# KiCad board poly_kb_molecule_4x4.kicad_pcb
title: PolyKB Atom; date: 2022-02-01; rev: 2.1; company: thpoll
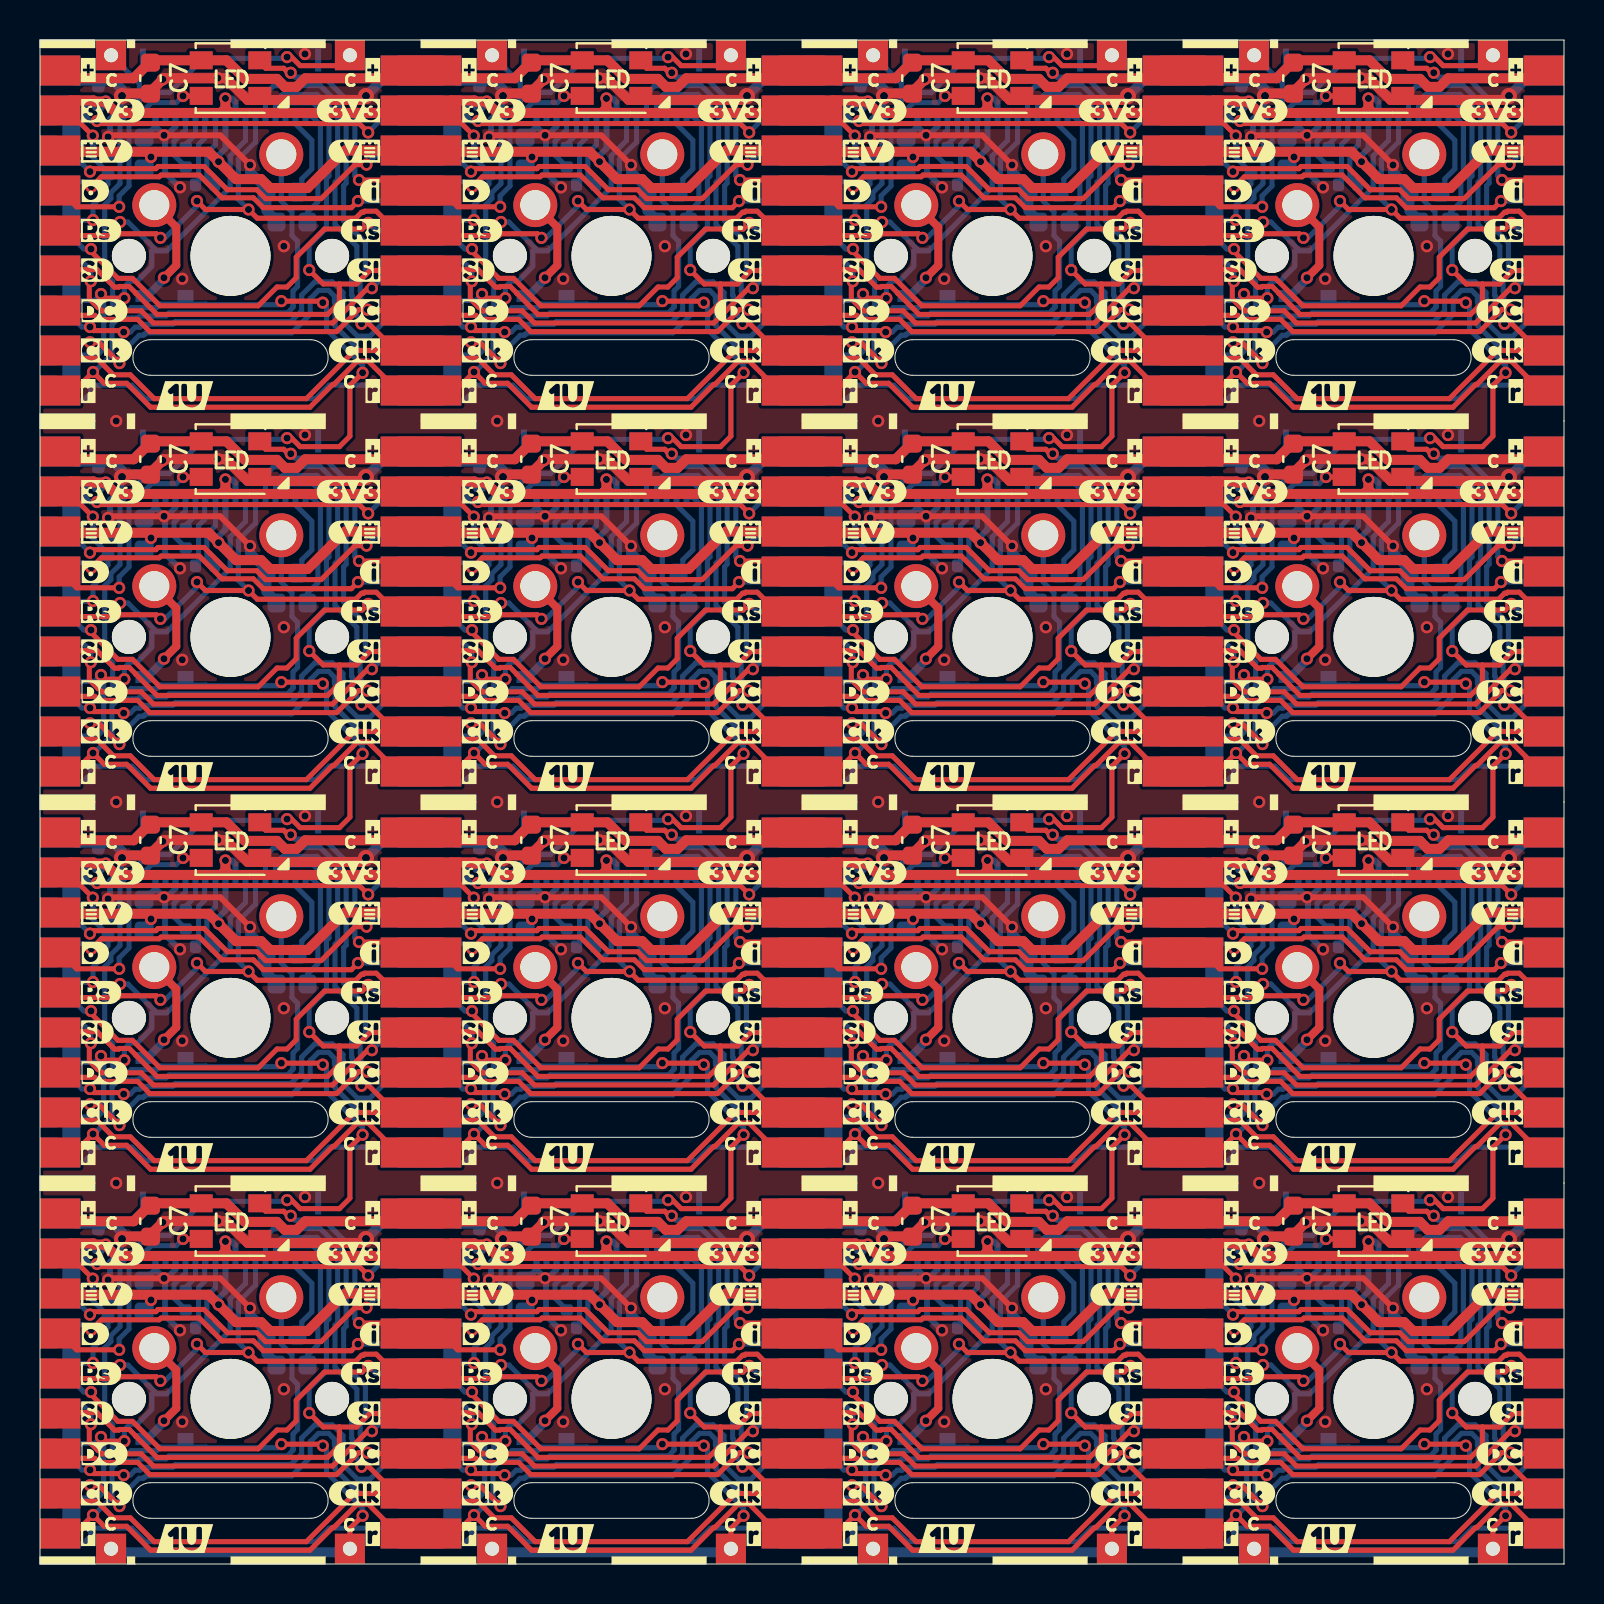
[diagram p0: board, top side]
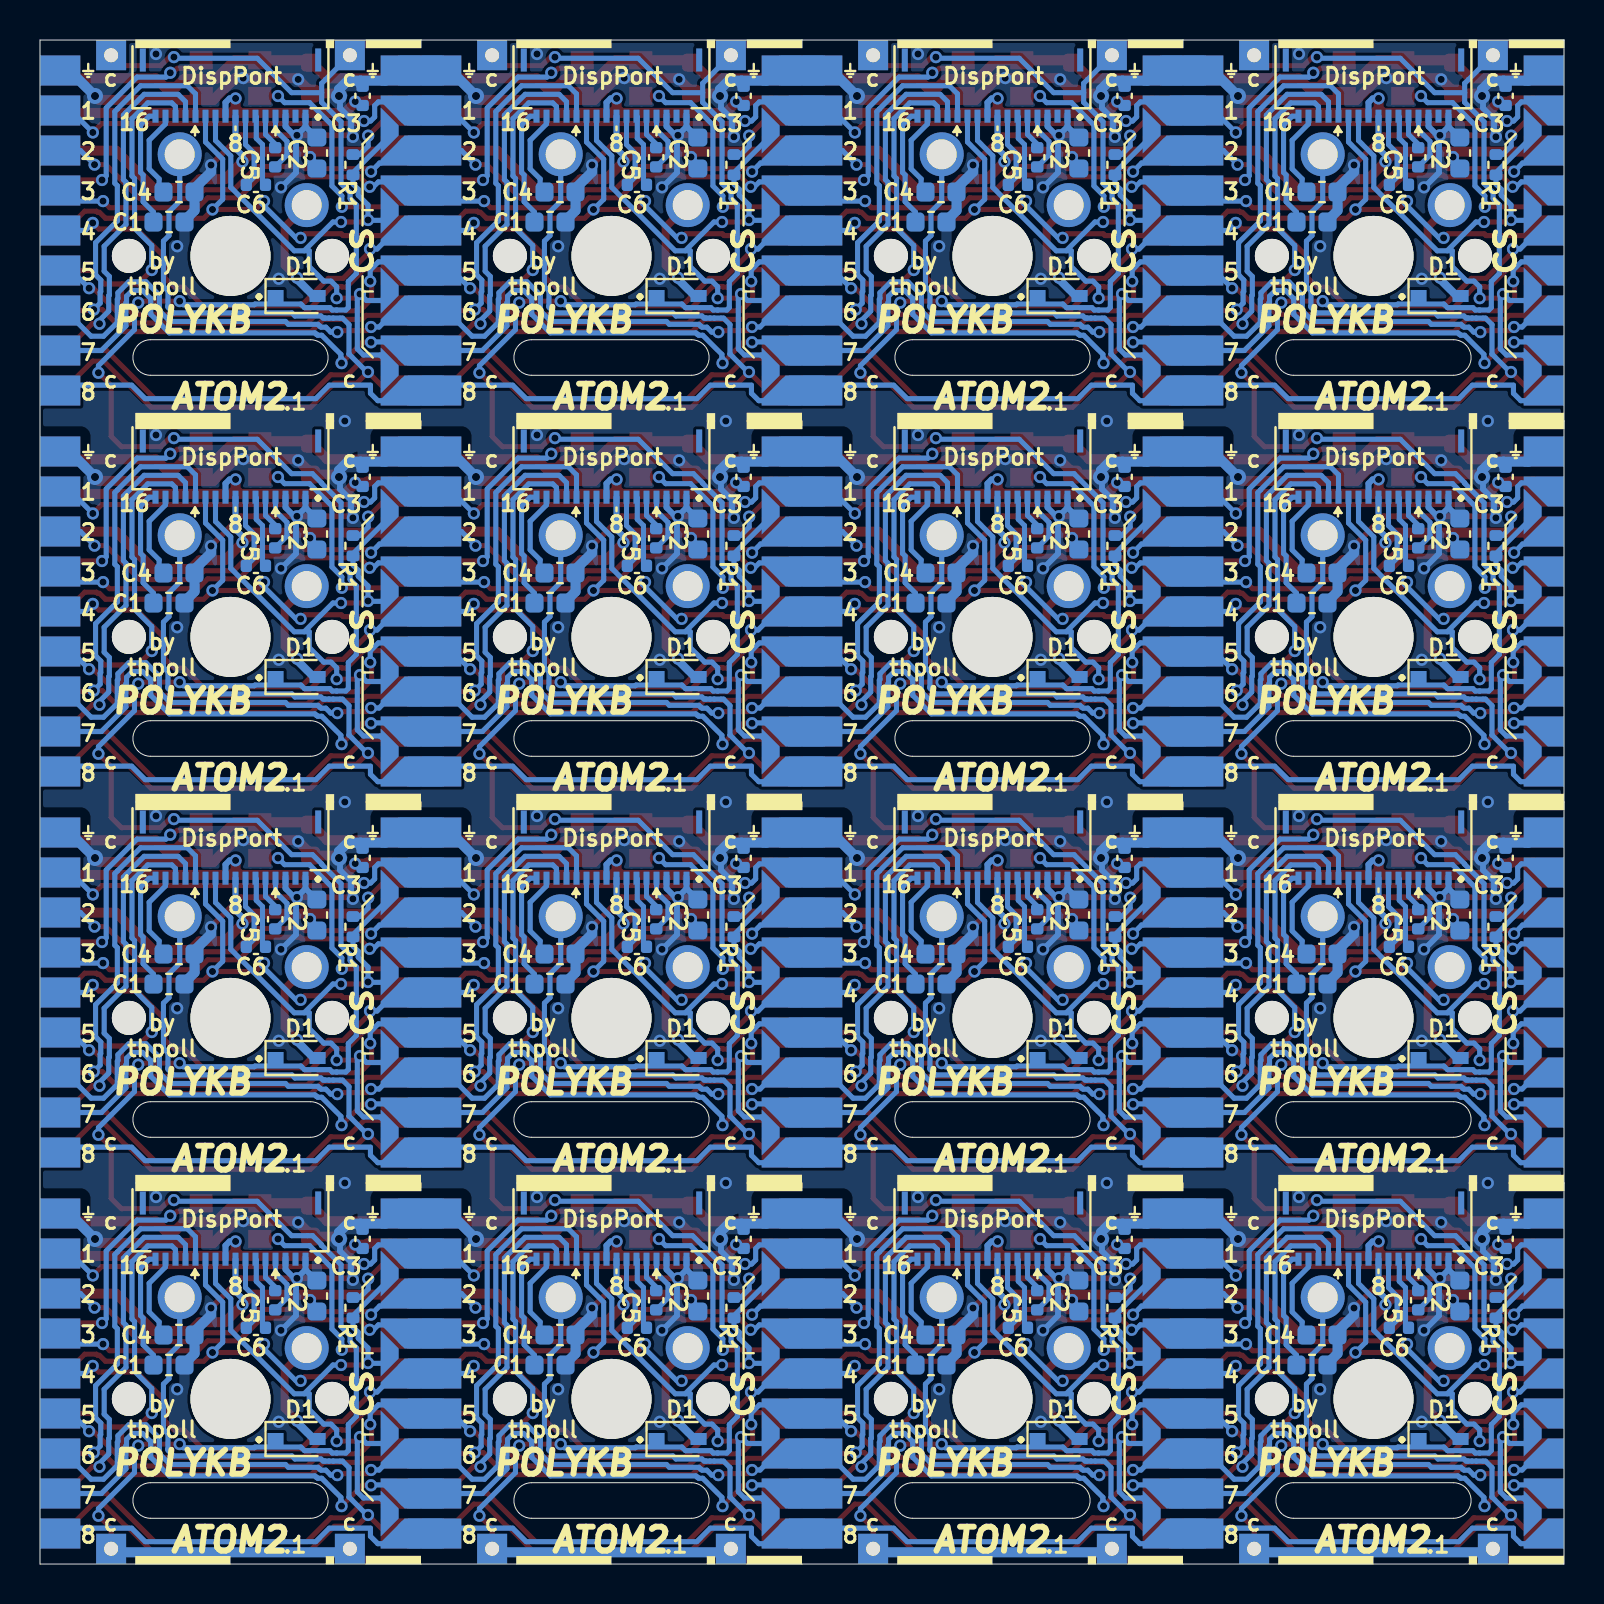
[diagram p1: board, bottom side, seen from below]

Outline 76.2 x 76.2 mm; copper layers: Top, Bottom. Coordinates in mm from the lower left corner of the outline.
Outline path: 0,76.2 0,0 76.2,0 76.2,76.2 0,76.2 ; 5.53,59.44 arc(4.64,60.33) 5.53,61.21 13.52,61.21 arc(14.41,60.33) 13.52,59.44 5.53,59.44 ; 5.53,40.39 arc(4.64,41.28) 5.53,42.16 13.52,42.16 arc(14.41,41.28) 13.52,40.39 5.53,40.39 ; 5.53,21.34 arc(4.64,22.23) 5.53,23.11 13.52,23.11 arc(14.41,22.23) 13.52,21.34 5.53,21.34 ; 5.53,2.29 arc(4.64,3.18) 5.53,4.06 13.52,4.06 arc(14.41,3.18) 13.52,2.29 5.53,2.29 ; 24.58,59.44 arc(23.7,60.33) 24.58,61.21 32.57,61.21 arc(33.45,60.33) 32.57,59.44 24.58,59.44 ; 24.58,40.39 arc(23.7,41.28) 24.58,42.16 32.57,42.16 arc(33.45,41.28) 32.57,40.39 24.58,40.39 ; 24.58,21.34 arc(23.7,22.23) 24.58,23.11 32.57,23.11 arc(33.45,22.23) 32.57,21.34 24.58,21.34 ; 24.58,2.29 arc(23.7,3.18) 24.58,4.06 32.57,4.06 arc(33.45,3.18) 32.57,2.29 24.58,2.29 ; 43.63,59.44 arc(42.75,60.33) 43.63,61.21 51.62,61.21 arc(52.5,60.33) 51.62,59.44 43.63,59.44 ; 43.63,40.39 arc(42.75,41.28) 43.63,42.16 51.62,42.16 arc(52.5,41.28) 51.62,40.39 43.63,40.39 ; 43.63,21.34 arc(42.75,22.23) 43.63,23.11 51.62,23.11 arc(52.5,22.23) 51.62,21.34 43.63,21.34 ; 43.63,2.29 arc(42.75,3.18) 43.63,4.06 51.62,4.06 arc(52.5,3.18) 51.62,2.29 43.63,2.29 ; 62.68,59.44 arc(61.8,60.33) 62.68,61.21 70.67,61.21 arc(71.55,60.33) 70.67,59.44 62.68,59.44 ; 62.68,40.39 arc(61.8,41.28) 62.68,42.16 70.67,42.16 arc(71.55,41.28) 70.67,40.39 62.68,40.39 ; 62.68,21.34 arc(61.8,22.23) 62.68,23.11 70.67,23.11 arc(71.55,22.23) 70.67,21.34 62.68,21.34 ; 62.68,2.29 arc(61.8,3.18) 62.68,4.06 70.67,4.06 arc(71.55,3.18) 70.67,2.29 62.68,2.29
Stack: Top 0.035mm / dielectric 1.51mm FR4 er 4.5 / Bottom 0.035mm

## Placement (name value [footprint] x y rotation side)
C1  2.2uF  [C_0603_1608Metric]  12.6 67.1 180 bottom
C1#2  2.2uF  [C_0603_1608Metric]  50.7 9.95 180 bottom
C1#3  2.2uF  [C_0603_1608Metric]  31.65 48.05 180 bottom
C1#4  2.2uF  [C_0603_1608Metric]  69.75 9.95 180 bottom
C1#5  2.2uF  [C_0603_1608Metric]  12.6 48.05 180 bottom
C1#6  2.2uF  [C_0603_1608Metric]  31.65 9.95 180 bottom
C1#7  2.2uF  [C_0603_1608Metric]  69.75 29 180 bottom
C1#8  2.2uF  [C_0603_1608Metric]  31.65 29 180 bottom
C1#9  2.2uF  [C_0603_1608Metric]  31.65 67.1 180 bottom
C1#10  2.2uF  [C_0603_1608Metric]  69.75 48.05 180 bottom
C1#11  2.2uF  [C_0603_1608Metric]  50.7 29 180 bottom
C1#12  2.2uF  [C_0603_1608Metric]  69.75 67.1 180 bottom
C1#13  2.2uF  [C_0603_1608Metric]  12.6 9.95 180 bottom
C1#14  2.2uF  [C_0603_1608Metric]  12.6 29 180 bottom
C1#15  2.2uF  [C_0603_1608Metric]  50.7 48.05 180 bottom
C1#16  2.2uF  [C_0603_1608Metric]  50.7 67.1 180 bottom
C2  2.2uF  [C_0603_1608Metric]  5.21 70.55 90 bottom
C2#2  2.2uF  [C_0603_1608Metric]  43.31 51.5 90 bottom
C2#3  2.2uF  [C_0603_1608Metric]  43.31 13.4 90 bottom
C2#4  2.2uF  [C_0603_1608Metric]  62.36 70.55 90 bottom
C2#5  2.2uF  [C_0603_1608Metric]  5.21 32.45 90 bottom
C2#6  2.2uF  [C_0603_1608Metric]  24.26 32.45 90 bottom
C2#7  2.2uF  [C_0603_1608Metric]  24.26 70.55 90 bottom
C2#8  2.2uF  [C_0603_1608Metric]  62.36 13.4 90 bottom
C2#9  2.2uF  [C_0603_1608Metric]  5.21 51.5 90 bottom
C2#10  2.2uF  [C_0603_1608Metric]  5.21 13.4 90 bottom
C2#11  2.2uF  [C_0603_1608Metric]  43.31 32.45 90 bottom
C2#12  2.2uF  [C_0603_1608Metric]  62.36 51.5 90 bottom
C2#13  2.2uF  [C_0603_1608Metric]  24.26 51.5 90 bottom
C2#14  2.2uF  [C_0603_1608Metric]  24.26 13.4 90 bottom
C2#15  2.2uF  [C_0603_1608Metric]  43.31 70.55 90 bottom
C2#16  2.2uF  [C_0603_1608Metric]  62.36 32.45 90 bottom
C3  1uF  [C_0402_1005Metric]  2.92 73.41 90 bottom
C3#2  1uF  [C_0402_1005Metric]  60.07 35.31 90 bottom
C3#3  1uF  [C_0402_1005Metric]  60.07 73.41 90 bottom
C3#4  1uF  [C_0402_1005Metric]  41.02 54.36 90 bottom
C3#5  1uF  [C_0402_1005Metric]  41.02 73.41 90 bottom
C3#6  1uF  [C_0402_1005Metric]  21.97 35.31 90 bottom
C3#7  1uF  [C_0402_1005Metric]  21.97 16.26 90 bottom
C3#8  1uF  [C_0402_1005Metric]  2.92 35.31 90 bottom
C3#9  1uF  [C_0402_1005Metric]  21.97 54.36 90 bottom
C3#10  1uF  [C_0402_1005Metric]  2.92 16.26 90 bottom
C3#11  1uF  [C_0402_1005Metric]  60.07 16.26 90 bottom
C3#12  1uF  [C_0402_1005Metric]  21.97 73.41 90 bottom
C3#13  1uF  [C_0402_1005Metric]  41.02 35.31 90 bottom
C3#14  1uF  [C_0402_1005Metric]  2.92 54.36 90 bottom
C3#15  1uF  [C_0402_1005Metric]  41.02 16.26 90 bottom
C3#16  1uF  [C_0402_1005Metric]  60.07 54.36 90 bottom
C4  4.7uF  [C_0603_1608Metric]  12.1 68.6 180 bottom
C4#2  4.7uF  [C_0603_1608Metric]  69.25 49.55 180 bottom
C4#3  4.7uF  [C_0603_1608Metric]  50.2 30.5 180 bottom
C4#4  4.7uF  [C_0603_1608Metric]  50.2 11.45 180 bottom
C4#5  4.7uF  [C_0603_1608Metric]  69.25 68.6 180 bottom
C4#6  4.7uF  [C_0603_1608Metric]  50.2 49.55 180 bottom
C4#7  4.7uF  [C_0603_1608Metric]  69.25 11.45 180 bottom
C4#8  4.7uF  [C_0603_1608Metric]  12.1 11.45 180 bottom
C4#9  4.7uF  [C_0603_1608Metric]  12.1 49.55 180 bottom
C4#10  4.7uF  [C_0603_1608Metric]  50.2 68.6 180 bottom
C4#11  4.7uF  [C_0603_1608Metric]  31.15 49.55 180 bottom
C4#12  4.7uF  [C_0603_1608Metric]  69.25 30.5 180 bottom
C4#13  4.7uF  [C_0603_1608Metric]  12.1 30.5 180 bottom
C4#14  4.7uF  [C_0603_1608Metric]  31.15 68.6 180 bottom
C4#15  4.7uF  [C_0603_1608Metric]  31.15 30.5 180 bottom
C4#16  4.7uF  [C_0603_1608Metric]  31.15 11.45 180 bottom
C5  1uF  [C_0402_1005Metric]  7.29 70.34 90 bottom
C5#2  1uF  [C_0402_1005Metric]  64.44 51.29 90 bottom
C5#3  1uF  [C_0402_1005Metric]  26.34 70.34 90 bottom
C5#4  1uF  [C_0402_1005Metric]  64.44 13.19 90 bottom
C5#5  1uF  [C_0402_1005Metric]  45.39 51.29 90 bottom
C5#6  1uF  [C_0402_1005Metric]  7.29 13.19 90 bottom
C5#7  1uF  [C_0402_1005Metric]  7.29 51.29 90 bottom
C5#8  1uF  [C_0402_1005Metric]  45.39 70.34 90 bottom
C5#9  1uF  [C_0402_1005Metric]  26.34 51.29 90 bottom
C5#10  1uF  [C_0402_1005Metric]  7.29 32.24 90 bottom
C5#11  1uF  [C_0402_1005Metric]  64.44 70.34 90 bottom
C5#12  1uF  [C_0402_1005Metric]  26.34 13.19 90 bottom
C5#13  1uF  [C_0402_1005Metric]  26.34 32.24 90 bottom
C5#14  1uF  [C_0402_1005Metric]  64.44 32.24 90 bottom
C5#15  1uF  [C_0402_1005Metric]  45.39 32.24 90 bottom
C5#16  1uF  [C_0402_1005Metric]  45.39 13.19 90 bottom
C6  1uF  [C_0402_1005Metric]  8.25 68.96 0 bottom
C6#2  1uF  [C_0402_1005Metric]  8.25 49.91 0 bottom
C6#3  1uF  [C_0402_1005Metric]  46.36 68.96 0 bottom
C6#4  1uF  [C_0402_1005Metric]  27.3 68.96 0 bottom
C6#5  1uF  [C_0402_1005Metric]  46.36 30.86 0 bottom
C6#6  1uF  [C_0402_1005Metric]  65.41 11.81 0 bottom
C6#7  1uF  [C_0402_1005Metric]  46.36 11.81 0 bottom
C6#8  1uF  [C_0402_1005Metric]  8.25 11.81 0 bottom
C6#9  1uF  [C_0402_1005Metric]  8.25 30.86 0 bottom
C6#10  1uF  [C_0402_1005Metric]  65.41 30.86 0 bottom
C6#11  1uF  [C_0402_1005Metric]  27.3 49.91 0 bottom
C6#12  1uF  [C_0402_1005Metric]  65.41 49.91 0 bottom
C6#13  1uF  [C_0402_1005Metric]  46.36 49.91 0 bottom
C6#14  1uF  [C_0402_1005Metric]  65.41 68.96 0 bottom
C6#15  1uF  [C_0402_1005Metric]  27.3 11.81 0 bottom
C6#16  1uF  [C_0402_1005Metric]  27.3 30.86 0 bottom
C7  100nF  [C_0603_1608Metric]  5.52 74.3 270 top
C7#2  100nF  [C_0603_1608Metric]  24.57 55.25 270 top
C7#3  100nF  [C_0603_1608Metric]  62.67 74.3 270 top
C7#4  100nF  [C_0603_1608Metric]  24.57 36.2 270 top
C7#5  100nF  [C_0603_1608Metric]  24.57 17.15 270 top
C7#6  100nF  [C_0603_1608Metric]  43.62 55.25 270 top
C7#7  100nF  [C_0603_1608Metric]  62.67 55.25 270 top
C7#8  100nF  [C_0603_1608Metric]  24.57 74.3 270 top
C7#9  100nF  [C_0603_1608Metric]  62.67 36.2 270 top
C7#10  100nF  [C_0603_1608Metric]  5.52 36.2 270 top
C7#11  100nF  [C_0603_1608Metric]  43.62 17.15 270 top
C7#12  100nF  [C_0603_1608Metric]  43.62 36.2 270 top
C7#13  100nF  [C_0603_1608Metric]  62.67 17.15 270 top
C7#14  100nF  [C_0603_1608Metric]  43.62 74.3 270 top
C7#15  100nF  [C_0603_1608Metric]  5.52 17.15 270 top
C7#16  100nF  [C_0603_1608Metric]  5.52 55.25 270 top
D1  D_Small  [D_SOD-323Ext]  6.22 63.4 180 bottom
D1#2  D_Small  [D_SOD-323Ext]  25.27 63.4 180 bottom
D1#3  D_Small  [D_SOD-323Ext]  44.32 63.4 180 bottom
D1#4  D_Small  [D_SOD-323Ext]  63.37 6.25 180 bottom
D1#5  D_Small  [D_SOD-323Ext]  44.32 44.35 180 bottom
D1#6  D_Small  [D_SOD-323Ext]  63.37 63.4 180 bottom
D1#7  D_Small  [D_SOD-323Ext]  25.27 6.25 180 bottom
D1#8  D_Small  [D_SOD-323Ext]  44.32 6.25 180 bottom
D1#9  D_Small  [D_SOD-323Ext]  6.22 44.35 180 bottom
D1#10  D_Small  [D_SOD-323Ext]  63.37 44.35 180 bottom
D1#11  D_Small  [D_SOD-323Ext]  44.32 25.3 180 bottom
D1#12  D_Small  [D_SOD-323Ext]  25.27 44.35 180 bottom
D1#13  D_Small  [D_SOD-323Ext]  6.22 25.3 180 bottom
D1#14  D_Small  [D_SOD-323Ext]  25.27 25.3 180 bottom
D1#15  D_Small  [D_SOD-323Ext]  6.22 6.25 180 bottom
D1#16  D_Small  [D_SOD-323Ext]  63.37 25.3 180 bottom
J1  Conn_01x16  [FPC_16_JUSHUO_AFC05_S16FIA_00]  9.52 72.39 0 bottom
J1#2  Conn_01x16  [FPC_16_JUSHUO_AFC05_S16FIA_00]  28.58 15.24 0 bottom
J1#3  Conn_01x16  [FPC_16_JUSHUO_AFC05_S16FIA_00]  66.67 15.24 0 bottom
J1#4  Conn_01x16  [FPC_16_JUSHUO_AFC05_S16FIA_00]  47.62 53.34 0 bottom
J1#5  Conn_01x16  [FPC_16_JUSHUO_AFC05_S16FIA_00]  9.52 15.24 0 bottom
J1#6  Conn_01x16  [FPC_16_JUSHUO_AFC05_S16FIA_00]  9.52 34.29 0 bottom
J1#7  Conn_01x16  [FPC_16_JUSHUO_AFC05_S16FIA_00]  47.62 72.39 0 bottom
J1#8  Conn_01x16  [FPC_16_JUSHUO_AFC05_S16FIA_00]  47.62 34.29 0 bottom
J1#9  Conn_01x16  [FPC_16_JUSHUO_AFC05_S16FIA_00]  66.67 72.39 0 bottom
J1#10  Conn_01x16  [FPC_16_JUSHUO_AFC05_S16FIA_00]  28.58 34.29 0 bottom
J1#11  Conn_01x16  [FPC_16_JUSHUO_AFC05_S16FIA_00]  28.58 72.39 0 bottom
J1#12  Conn_01x16  [FPC_16_JUSHUO_AFC05_S16FIA_00]  28.58 53.34 0 bottom
J1#13  Conn_01x16  [FPC_16_JUSHUO_AFC05_S16FIA_00]  66.67 53.34 0 bottom
J1#14  Conn_01x16  [FPC_16_JUSHUO_AFC05_S16FIA_00]  47.62 15.24 0 bottom
J1#15  Conn_01x16  [FPC_16_JUSHUO_AFC05_S16FIA_00]  66.67 34.29 0 bottom
J1#16  Conn_01x16  [FPC_16_JUSHUO_AFC05_S16FIA_00]  9.52 53.34 0 bottom
J2  North  [TestPoin_1.5x1.5mm_Drill0.7mm]  15.49 75.44 0 top
J2#2  North  [TestPoin_1.5x1.5mm_Drill0.7mm]  34.54 75.44 0 top
J2#3  North  [TestPoin_1.5x1.5mm_Drill0.7mm]  72.64 75.44 0 top
J2#4  North  [TestPoin_1.5x1.5mm_Drill0.7mm]  53.59 75.44 0 top
J3  WestFront  [AtomConnect2]  1.02 66.68 270 top
J3#2  WestFront  [AtomConnect2]  20.07 28.58 270 top
J3#3  WestFront  [AtomConnect2]  1.02 28.58 270 top
J3#4  WestFront  [AtomConnect2]  58.17 47.63 270 top
J3#5  WestFront  [AtomConnect2]  39.12 28.58 270 top
J3#6  WestFront  [AtomConnect2]  20.07 9.53 270 top
J3#7  WestFront  [AtomConnect2]  20.07 47.63 270 top
J3#8  WestFront  [AtomConnect2]  1.02 47.63 270 top
J3#9  WestFront  [AtomConnect2]  20.07 66.68 270 top
J3#10  WestFront  [AtomConnect2]  58.17 66.68 270 top
J3#11  WestFront  [AtomConnect2]  58.17 28.58 270 top
J3#12  WestFront  [AtomConnect2]  1.02 9.53 270 top
J3#13  WestFront  [AtomConnect2]  39.12 9.53 270 top
J3#14  WestFront  [AtomConnect2]  39.12 47.63 270 top
J3#15  WestFront  [AtomConnect2]  39.12 66.68 270 top
J3#16  WestFront  [AtomConnect2]  58.17 9.53 270 top
J4  EastFront  [AtomConnect2]  18.03 66.68 270 top
J4#2  EastFront  [AtomConnect2]  56.13 28.58 270 top
J4#3  EastFront  [AtomConnect2]  75.18 47.63 270 top
J4#4  EastFront  [AtomConnect2]  18.03 28.58 270 top
J4#5  EastFront  [AtomConnect2]  75.18 66.68 270 top
J4#6  EastFront  [AtomConnect2]  37.08 47.63 270 top
J4#7  EastFront  [AtomConnect2]  56.13 47.63 270 top
J4#8  EastFront  [AtomConnect2]  75.18 28.58 270 top
J4#9  EastFront  [AtomConnect2]  37.08 28.58 270 top
J4#10  EastFront  [AtomConnect2]  56.13 66.68 270 top
J4#11  EastFront  [AtomConnect2]  75.18 9.53 270 top
J4#12  EastFront  [AtomConnect2]  37.08 9.53 270 top
J4#13  EastFront  [AtomConnect2]  18.03 9.53 270 top
J4#14  EastFront  [AtomConnect2]  18.03 47.63 270 top
J4#15  EastFront  [AtomConnect2]  56.13 9.53 270 top
J4#16  EastFront  [AtomConnect2]  37.08 66.68 270 top
J5  WestBack  [AtomConnectCS]  1.02 66.68 270 bottom
J5#2  WestBack  [AtomConnectCS]  39.12 66.68 270 bottom
J5#3  WestBack  [AtomConnectCS]  1.02 9.53 270 bottom
J5#4  WestBack  [AtomConnectCS]  58.17 9.53 270 bottom
J5#5  WestBack  [AtomConnectCS]  20.07 28.58 270 bottom
J5#6  WestBack  [AtomConnectCS]  58.17 47.63 270 bottom
J5#7  WestBack  [AtomConnectCS]  39.12 28.58 270 bottom
J5#8  WestBack  [AtomConnectCS]  20.07 47.63 270 bottom
J5#9  WestBack  [AtomConnectCS]  1.02 47.63 270 bottom
J5#10  WestBack  [AtomConnectCS]  58.17 66.68 270 bottom
J5#11  WestBack  [AtomConnectCS]  58.17 28.58 270 bottom
J5#12  WestBack  [AtomConnectCS]  20.07 9.53 270 bottom
J5#13  WestBack  [AtomConnectCS]  20.07 66.68 270 bottom
J5#14  WestBack  [AtomConnectCS]  1.02 28.58 270 bottom
J5#15  WestBack  [AtomConnectCS]  39.12 47.63 270 bottom
J5#16  WestBack  [AtomConnectCS]  39.12 9.53 270 bottom
J6  EastBack  [AtomConnect2]  18.03 66.68 270 bottom
J6#2  EastBack  [AtomConnect2]  37.08 47.63 270 bottom
J6#3  EastBack  [AtomConnect2]  37.08 66.68 270 bottom
J6#4  EastBack  [AtomConnect2]  18.03 28.58 270 bottom
J6#5  EastBack  [AtomConnect2]  75.18 47.63 270 bottom
J6#6  EastBack  [AtomConnect2]  18.03 9.53 270 bottom
J6#7  EastBack  [AtomConnect2]  75.18 9.53 270 bottom
J6#8  EastBack  [AtomConnect2]  75.18 66.68 270 bottom
J6#9  EastBack  [AtomConnect2]  56.13 28.58 270 bottom
J6#10  EastBack  [AtomConnect2]  56.13 66.68 270 bottom
J6#11  EastBack  [AtomConnect2]  37.08 28.58 270 bottom
J6#12  EastBack  [AtomConnect2]  75.18 28.58 270 bottom
J6#13  EastBack  [AtomConnect2]  56.13 9.53 270 bottom
J6#14  EastBack  [AtomConnect2]  56.13 47.63 270 bottom
J6#15  EastBack  [AtomConnect2]  37.08 9.53 270 bottom
J6#16  EastBack  [AtomConnect2]  18.03 47.63 270 bottom
J7  South  [TestPoin_1.5x1.5mm_Drill0.7mm]  41.66 0.76 0 top
J7#2  South  [TestPoin_1.5x1.5mm_Drill0.7mm]  60.71 0.76 0 top
J7#3  South  [TestPoin_1.5x1.5mm_Drill0.7mm]  22.61 0.76 0 top
J7#4  South  [TestPoin_1.5x1.5mm_Drill0.7mm]  3.56 0.76 0 top
J8  North2  [TestPoin_1.5x1.5mm_Drill0.7mm]  3.56 75.44 0 top
J8#2  North2  [TestPoin_1.5x1.5mm_Drill0.7mm]  41.66 75.44 0 top
J8#3  North2  [TestPoin_1.5x1.5mm_Drill0.7mm]  22.61 75.44 0 top
J8#4  North2  [TestPoin_1.5x1.5mm_Drill0.7mm]  60.71 75.44 0 top
J9  South2  [TestPoin_1.5x1.5mm_Drill0.7mm]  15.49 0.76 0 top
J9#2  South2  [TestPoin_1.5x1.5mm_Drill0.7mm]  53.59 0.76 0 top
J9#3  South2  [TestPoin_1.5x1.5mm_Drill0.7mm]  34.54 0.76 0 top
J9#4  South2  [TestPoin_1.5x1.5mm_Drill0.7mm]  72.64 0.76 0 top
kibuzzard-61EFA8F1  G***  [kibuzzard-61EFA8F1]  34.77 60.68 0 top
kibuzzard-61EFA8F1#2  G***  [kibuzzard-61EFA8F1]  53.82 3.53 0 top
kibuzzard-61EFA8F1#3  G***  [kibuzzard-61EFA8F1]  72.87 22.58 0 top
kibuzzard-61EFA8F1#4  G***  [kibuzzard-61EFA8F1]  53.82 22.58 0 top
kibuzzard-61EFA8F1#5  G***  [kibuzzard-61EFA8F1]  72.87 41.63 0 top
kibuzzard-61EFA8F1#6  G***  [kibuzzard-61EFA8F1]  15.72 3.53 0 top
kibuzzard-61EFA8F1#7  G***  [kibuzzard-61EFA8F1]  34.77 41.63 0 top
kibuzzard-61EFA8F1#8  G***  [kibuzzard-61EFA8F1]  15.72 60.68 0 top
kibuzzard-61EFA8F1#9  G***  [kibuzzard-61EFA8F1]  53.82 41.63 0 top
kibuzzard-61EFA8F1#10  G***  [kibuzzard-61EFA8F1]  53.82 60.68 0 top
kibuzzard-61EFA8F1#11  G***  [kibuzzard-61EFA8F1]  34.77 22.58 0 top
kibuzzard-61EFA8F1#12  G***  [kibuzzard-61EFA8F1]  72.87 60.68 0 top
kibuzzard-61EFA8F1#13  G***  [kibuzzard-61EFA8F1]  72.87 3.53 0 top
kibuzzard-61EFA8F1#14  G***  [kibuzzard-61EFA8F1]  34.77 3.53 0 top
kibuzzard-61EFA8F1#15  G***  [kibuzzard-61EFA8F1]  15.72 22.58 0 top
kibuzzard-61EFA8F1#16  G***  [kibuzzard-61EFA8F1]  15.72 41.63 0 top
kibuzzard-61EFAA6D  G***  [kibuzzard-61EFAA6D]  73.18 66.68 0 top
kibuzzard-61EFAA6D#2  G***  [kibuzzard-61EFAA6D]  16.03 9.53 0 top
kibuzzard-61EFAA6D#3  G***  [kibuzzard-61EFAA6D]  54.13 9.53 0 top
kibuzzard-61EFAA6D#4  G***  [kibuzzard-61EFAA6D]  54.13 47.63 0 top
kibuzzard-61EFAA6D#5  G***  [kibuzzard-61EFAA6D]  16.03 28.58 0 top
kibuzzard-61EFAA6D#6  G***  [kibuzzard-61EFAA6D]  73.18 47.63 0 top
kibuzzard-61EFAA6D#7  G***  [kibuzzard-61EFAA6D]  54.13 28.58 0 top
kibuzzard-61EFAA6D#8  G***  [kibuzzard-61EFAA6D]  35.08 9.53 0 top
kibuzzard-61EFAA6D#9  G***  [kibuzzard-61EFAA6D]  73.18 28.58 0 top
kibuzzard-61EFAA6D#10  G***  [kibuzzard-61EFAA6D]  35.08 47.63 0 top
kibuzzard-61EFAA6D#11  G***  [kibuzzard-61EFAA6D]  73.18 9.53 0 top
kibuzzard-61EFAA6D#12  G***  [kibuzzard-61EFAA6D]  35.08 66.68 0 top
kibuzzard-61EFAA6D#13  G***  [kibuzzard-61EFAA6D]  35.08 28.58 0 top
kibuzzard-61EFAA6D#14  G***  [kibuzzard-61EFAA6D]  54.13 66.68 0 top
kibuzzard-61EFAA6D#15  G***  [kibuzzard-61EFAA6D]  16.03 47.63 0 top
kibuzzard-61EFAA6D#16  G***  [kibuzzard-61EFAA6D]  16.03 66.68 0 top
kibuzzard-61EFABBF  G***  [kibuzzard-61EFABBF]  15.82 5.51 0 top
kibuzzard-61EFABBF#2  G***  [kibuzzard-61EFABBF]  34.87 62.66 0 top
kibuzzard-61EFABBF#3  G***  [kibuzzard-61EFABBF]  53.92 24.56 0 top
kibuzzard-61EFABBF#4  G***  [kibuzzard-61EFABBF]  15.82 24.56 0 top
kibuzzard-61EFABBF#5  G***  [kibuzzard-61EFABBF]  34.87 5.51 0 top
kibuzzard-61EFABBF#6  G***  [kibuzzard-61EFABBF]  53.92 62.66 0 top
kibuzzard-61EFABBF#7  G***  [kibuzzard-61EFABBF]  15.82 43.61 0 top
kibuzzard-61EFABBF#8  G***  [kibuzzard-61EFABBF]  72.97 43.61 0 top
kibuzzard-61EFABBF#9  G***  [kibuzzard-61EFABBF]  72.97 24.56 0 top
kibuzzard-61EFABBF#10  G***  [kibuzzard-61EFABBF]  53.92 43.61 0 top
kibuzzard-61EFABBF#11  G***  [kibuzzard-61EFABBF]  15.82 62.66 0 top
kibuzzard-61EFABBF#12  G***  [kibuzzard-61EFABBF]  34.87 43.61 0 top
kibuzzard-61EFABBF#13  G***  [kibuzzard-61EFABBF]  34.87 24.56 0 top
kibuzzard-61EFABBF#14  G***  [kibuzzard-61EFABBF]  72.97 62.66 0 top
kibuzzard-61EFABBF#15  G***  [kibuzzard-61EFABBF]  53.92 5.51 0 top
kibuzzard-61EFABBF#16  G***  [kibuzzard-61EFABBF]  72.97 5.51 0 top
kibuzzard-61EFACF9  G***  [kibuzzard-61EFACF9]  53.31 32.54 0 top
kibuzzard-61EFACF9#2  G***  [kibuzzard-61EFACF9]  53.31 70.64 0 top
kibuzzard-61EFACF9#3  G***  [kibuzzard-61EFACF9]  53.31 13.49 0 top
kibuzzard-61EFACF9#4  G***  [kibuzzard-61EFACF9]  34.26 51.59 0 top
kibuzzard-61EFACF9#5  G***  [kibuzzard-61EFACF9]  72.36 13.49 0 top
kibuzzard-61EFACF9#6  G***  [kibuzzard-61EFACF9]  34.26 70.64 0 top
kibuzzard-61EFACF9#7  G***  [kibuzzard-61EFACF9]  34.26 32.54 0 top
kibuzzard-61EFACF9#8  G***  [kibuzzard-61EFACF9]  72.36 32.54 0 top
kibuzzard-61EFACF9#9  G***  [kibuzzard-61EFACF9]  15.21 70.64 0 top
kibuzzard-61EFACF9#10  G***  [kibuzzard-61EFACF9]  15.21 32.54 0 top
kibuzzard-61EFACF9#11  G***  [kibuzzard-61EFACF9]  15.21 13.49 0 top
kibuzzard-61EFACF9#12  G***  [kibuzzard-61EFACF9]  15.21 51.59 0 top
kibuzzard-61EFACF9#13  G***  [kibuzzard-61EFACF9]  72.36 51.59 0 top
kibuzzard-61EFACF9#14  G***  [kibuzzard-61EFACF9]  53.31 51.59 0 top
kibuzzard-61EFACF9#15  G***  [kibuzzard-61EFACF9]  72.36 70.64 0 top
kibuzzard-61EFACF9#16  G***  [kibuzzard-61EFACF9]  34.26 13.49 0 top
kibuzzard-61EFBE2C  G***  [kibuzzard-61EFBE2C]  41.33 24.56 0 top
kibuzzard-61EFBE2C#2  G***  [kibuzzard-61EFBE2C]  3.23 43.61 0 top
kibuzzard-61EFBE2C#3  G***  [kibuzzard-61EFBE2C]  22.28 24.56 0 top
kibuzzard-61EFBE2C#4  G***  [kibuzzard-61EFBE2C]  3.23 24.56 0 top
kibuzzard-61EFBE2C#5  G***  [kibuzzard-61EFBE2C]  3.23 5.51 0 top
kibuzzard-61EFBE2C#6  G***  [kibuzzard-61EFBE2C]  3.23 62.66 0 top
kibuzzard-61EFBE2C#7  G***  [kibuzzard-61EFBE2C]  60.38 43.61 0 top
kibuzzard-61EFBE2C#8  G***  [kibuzzard-61EFBE2C]  60.38 5.51 0 top
kibuzzard-61EFBE2C#9  G***  [kibuzzard-61EFBE2C]  41.33 43.61 0 top
kibuzzard-61EFBE2C#10  G***  [kibuzzard-61EFBE2C]  60.38 24.56 0 top
kibuzzard-61EFBE2C#11  G***  [kibuzzard-61EFBE2C]  41.33 5.51 0 top
kibuzzard-61EFBE2C#12  G***  [kibuzzard-61EFBE2C]  22.28 62.66 0 top
kibuzzard-61EFBE2C#13  G***  [kibuzzard-61EFBE2C]  22.28 5.51 0 top
kibuzzard-61EFBE2C#14  G***  [kibuzzard-61EFBE2C]  60.38 62.66 0 top
kibuzzard-61EFBE2C#15  G***  [kibuzzard-61EFBE2C]  22.28 43.61 0 top
kibuzzard-61EFBE2C#16  G***  [kibuzzard-61EFBE2C]  41.33 62.66 0 top
kibuzzard-61EFBE3D  G***  [kibuzzard-61EFBE3D]  60.48 3.53 0 top
kibuzzard-61EFBE3D#2  G***  [kibuzzard-61EFBE3D]  3.33 41.63 0 top
kibuzzard-61EFBE3D#3  G***  [kibuzzard-61EFBE3D]  41.43 60.68 0 top
kibuzzard-61EFBE3D#4  G***  [kibuzzard-61EFBE3D]  22.38 22.58 0 top
kibuzzard-61EFBE3D#5  G***  [kibuzzard-61EFBE3D]  3.33 3.53 0 top
kibuzzard-61EFBE3D#6  G***  [kibuzzard-61EFBE3D]  41.43 3.53 0 top
kibuzzard-61EFBE3D#7  G***  [kibuzzard-61EFBE3D]  41.43 22.58 0 top
kibuzzard-61EFBE3D#8  G***  [kibuzzard-61EFBE3D]  22.38 3.53 0 top
kibuzzard-61EFBE3D#9  G***  [kibuzzard-61EFBE3D]  22.38 41.63 0 top
kibuzzard-61EFBE3D#10  G***  [kibuzzard-61EFBE3D]  60.48 41.63 0 top
kibuzzard-61EFBE3D#11  G***  [kibuzzard-61EFBE3D]  60.48 60.68 0 top
kibuzzard-61EFBE3D#12  G***  [kibuzzard-61EFBE3D]  3.33 22.58 0 top
kibuzzard-61EFBE3D#13  G***  [kibuzzard-61EFBE3D]  22.38 60.68 0 top
kibuzzard-61EFBE3D#14  G***  [kibuzzard-61EFBE3D]  60.48 22.58 0 top
kibuzzard-61EFBE3D#15  G***  [kibuzzard-61EFBE3D]  3.33 60.68 0 top
kibuzzard-61EFBE3D#16  G***  [kibuzzard-61EFBE3D]  41.43 41.63 0 top
kibuzzard-61EFBE21  G***  [kibuzzard-61EFBE21]  21.92 26.59 0 top
kibuzzard-61EFBE21#2  G***  [kibuzzard-61EFBE21]  21.92 64.69 0 top
kibuzzard-61EFBE21#3  G***  [kibuzzard-61EFBE21]  21.92 7.54 0 top
kibuzzard-61EFBE21#4  G***  [kibuzzard-61EFBE21]  60.02 7.54 0 top
kibuzzard-61EFBE21#5  G***  [kibuzzard-61EFBE21]  60.02 64.69 0 top
kibuzzard-61EFBE21#6  G***  [kibuzzard-61EFBE21]  40.97 26.59 0 top
kibuzzard-61EFBE21#7  G***  [kibuzzard-61EFBE21]  40.97 7.54 0 top
kibuzzard-61EFBE21#8  G***  [kibuzzard-61EFBE21]  60.02 26.59 0 top
kibuzzard-61EFBE21#9  G***  [kibuzzard-61EFBE21]  40.97 45.64 0 top
kibuzzard-61EFBE21#10  G***  [kibuzzard-61EFBE21]  21.92 45.64 0 top
kibuzzard-61EFBE21#11  G***  [kibuzzard-61EFBE21]  60.02 45.64 0 top
kibuzzard-61EFBE21#12  G***  [kibuzzard-61EFBE21]  2.87 7.54 0 top
kibuzzard-61EFBE21#13  G***  [kibuzzard-61EFBE21]  2.87 64.69 0 top
kibuzzard-61EFBE21#14  G***  [kibuzzard-61EFBE21]  2.87 45.64 0 top
kibuzzard-61EFBE21#15  G***  [kibuzzard-61EFBE21]  2.87 26.59 0 top
kibuzzard-61EFBE21#16  G***  [kibuzzard-61EFBE21]  40.97 64.69 0 top
kibuzzard-61EFBE87  G***  [kibuzzard-61EFBE87]  60.99 13.49 0 top
kibuzzard-61EFBE87#2  G***  [kibuzzard-61EFBE87]  41.94 51.59 0 top
kibuzzard-61EFBE87#3  G***  [kibuzzard-61EFBE87]  41.94 13.49 0 top
kibuzzard-61EFBE87#4  G***  [kibuzzard-61EFBE87]  60.99 70.64 0 top
kibuzzard-61EFBE87#5  G***  [kibuzzard-61EFBE87]  3.84 70.64 0 top
kibuzzard-61EFBE87#6  G***  [kibuzzard-61EFBE87]  60.99 51.59 0 top
kibuzzard-61EFBE87#7  G***  [kibuzzard-61EFBE87]  22.89 32.54 0 top
kibuzzard-61EFBE87#8  G***  [kibuzzard-61EFBE87]  22.89 13.49 0 top
kibuzzard-61EFBE87#9  G***  [kibuzzard-61EFBE87]  60.99 32.54 0 top
kibuzzard-61EFBE87#10  G***  [kibuzzard-61EFBE87]  41.94 70.64 0 top
kibuzzard-61EFBE87#11  G***  [kibuzzard-61EFBE87]  3.84 51.59 0 top
kibuzzard-61EFBE87#12  G***  [kibuzzard-61EFBE87]  41.94 32.54 0 top
kibuzzard-61EFBE87#13  G***  [kibuzzard-61EFBE87]  3.84 13.49 0 top
kibuzzard-61EFBE87#14  G***  [kibuzzard-61EFBE87]  22.89 70.64 0 top
kibuzzard-61EFBE87#15  G***  [kibuzzard-61EFBE87]  3.84 32.54 0 top
kibuzzard-61EFBE87#16  G***  [kibuzzard-61EFBE87]  22.89 51.59 0 top
kibuzzard-61EFD7F9  G***  [kibuzzard-61EFD7F9]  54.28 7.54 0 top
kibuzzard-61EFD7F9#2  G***  [kibuzzard-61EFD7F9]  16.18 7.54 0 top
kibuzzard-61EFD7F9#3  G***  [kibuzzard-61EFD7F9]  16.18 45.64 0 top
kibuzzard-61EFD7F9#4  G***  [kibuzzard-61EFD7F9]  35.23 26.59 0 top
kibuzzard-61EFD7F9#5  G***  [kibuzzard-61EFD7F9]  54.28 64.69 0 top
kibuzzard-61EFD7F9#6  G***  [kibuzzard-61EFD7F9]  73.33 7.54 0 top
kibuzzard-61EFD7F9#7  G***  [kibuzzard-61EFD7F9]  54.28 45.64 0 top
kibuzzard-61EFD7F9#8  G***  [kibuzzard-61EFD7F9]  16.18 64.69 0 top
kibuzzard-61EFD7F9#9  G***  [kibuzzard-61EFD7F9]  73.33 26.59 0 top
kibuzzard-61EFD7F9#10  G***  [kibuzzard-61EFD7F9]  35.23 7.54 0 top
kibuzzard-61EFD7F9#11  G***  [kibuzzard-61EFD7F9]  35.23 64.69 0 top